# Altium PCB mantarray_beta_drv425_Mounting_Holes.PcbDoc (part 5 of 5)
Units mm, origin at the board's own origin, x right, y up, seen from the top; angles counter-clockwise.
Board outline 158.05 x 258 mm, 8 copper layers (Top Layer, GND1, Signal 1, GND2, DVDD, PWR, AVDD, GND3), stack 1.61 mm thick; 318 components, 274 nets, 1474 pads, 756 vias.
Unrouted connection lines stored in the file: 18.
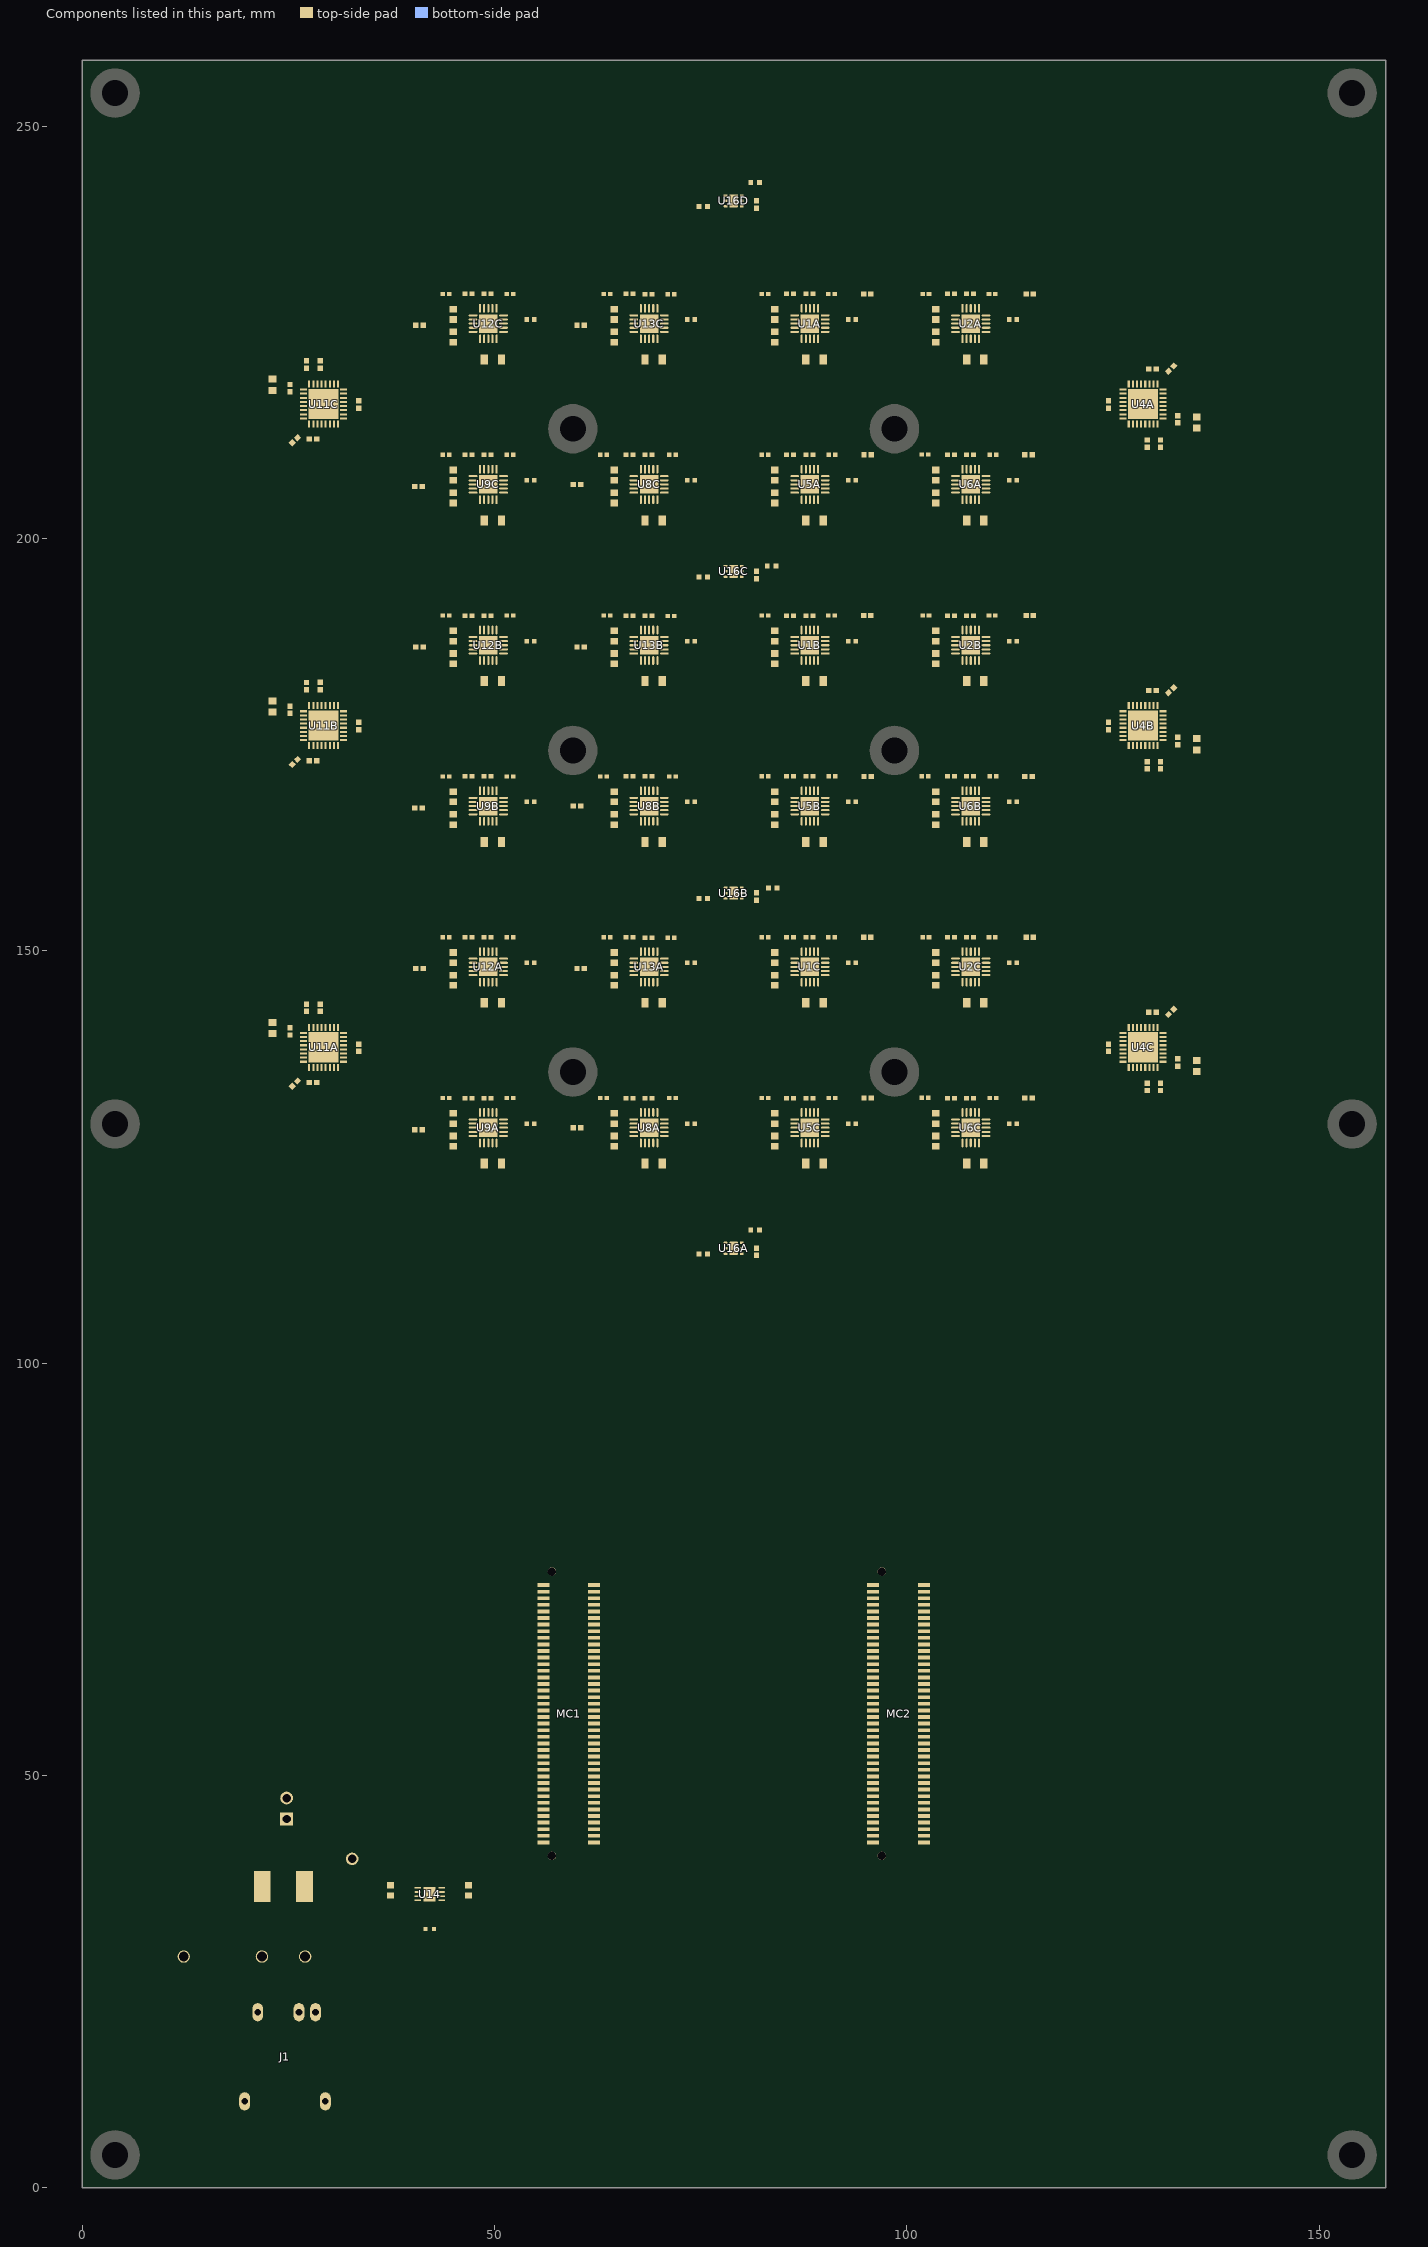
[diagram p11: the components of this part, seen from the top]

## Polygon pours and split planes (outlines as drawn) (continued)
+5V on Top Layer "NONET_L01_P053" (solid, shelved, pour order 53): 40.996,35.654 40.675,35.975 34.8,35.975 34.1,35.275 34.1,27 40.996,27
+5V on Top Layer "NONET_L01_P050" (solid, shelved, pour order 50): 34.1,22.85 34.1,27 46.15,27 57.75,27 57.75,22.85
+5V on Top Layer "NONET_L01_P044" (solid, shelved, pour order 44): 54.05,43.95 57.75,43.95 57.75,22.85 54.05,22.85
GND on Top Layer "NONET_L01_P037" (solid, shelved, pour order 37): 42.875,34 42.875,37.4 44.6,37.4 45.8,36.2 49.35,36.2 50.1,36.95 50.1,43.2 49.35,43.95 35.1,43.95 34.2,43.05 34.2,36.9 34.9,36.2 38.05,36.2 39.25,37.4 41.425,37.4 41.425,34
AVDD on Top Layer "NONET_L01_P038" (solid, shelved, pour order 38): 43.204,35.679 43.525,36 49.4,36 50.1,35.3 50.1,28.1 49.6,27.6 43.7,27.6 43.204,28.096
PWR_IN on Top Layer "PWR_IN" (solid, shelved, pour order 26): 20,38.861 20,19.75 23.7,19.75 23.7,38.861
GND on Top Layer "PWR_IN" (solid, shelved, pour order 43): 24.45,38.861 24.45,19.75 29.5,19.75 29.5,38.861
GND on GND3 "GND_L08_P033" (solid, shelved, pour order 64): 0,0 0,258 158.05,258 158.05,0
GND on GND1 (split plane): 157.54,0.51 0.51,0.51 0.51,257.49 157.54,257.49
+5V on PWR (split plane): 157.54,0.51 0.51,0.51 0.51,257.49 157.54,257.49
GND on GND2 (split plane): 157.54,0.51 0.51,0.51 0.51,257.49 157.54,257.49
DVDD on DVDD (split plane): 157.54,0.51 0.51,0.51 0.51,257.49 157.54,257.49
AVDD on AVDD (split plane): 157.54,0.51 0.51,0.51 0.51,257.49 157.54,257.49

## Other copper
Top Layer:
  pour cut-out: 57.75,23.6 57,22.85 57.75,22.85
  pour cut-out: 34.1,23.6 34.85,22.85 34.1,22.85

## Silkscreen, mask and mechanical layers (free items; w line width, h text height)
Top Overlay:
  text "FAN" at 21,44.35 h1.65 r90
  text "GND" at 24.75,39.1 h1.65
  text "PWR" at 20.05,39.05 h1.65
  text "Mantarray Version 0.2.1 / Curi Bio" at 4.05,36.1 h2 r270
  text "3.3V" at 33.75,34 h1.65 r90
  text "5V DC" at 18.9,12.4 h1.65 r90
Fabrication Notes:
  circle w0.254: c49.75,223.05 r7.75
  circle w0.254: c108.25,203.55 r7.75
  circle w0.254: c88.75,203.55 r7.75
  circle w0.254: c108.25,223.05 r7.75
  circle w0.254: c88.75,223.05 r7.75
  circle w0.254: c108.25,125.55 r7.75
  circle w0.254: c88.75,125.55 r7.75
  circle w0.254: c69.25,125.55 r7.75
  circle w0.254: c49.75,125.55 r7.75
  circle w0.254: c108.25,145.05 r7.75
  circle w0.254: c88.75,145.05 r7.75
  circle w0.254: c69.25,145.05 r7.75
  circle w0.254: c49.75,145.05 r7.75
  circle w0.254: c108.25,164.55 r7.75
  circle w0.254: c88.75,164.55 r7.75
  circle w0.254: c69.25,164.55 r7.75
  circle w0.254: c49.75,164.55 r7.75
  circle w0.254: c108.25,184.05 r7.75
  circle w0.254: c88.75,184.05 r7.75
  circle w0.254: c69.25,184.05 r7.75
  circle w0.254: c49.75,184.05 r7.75
  circle w0.254: c69.25,203.55 r7.75
  circle w0.254: c49.75,203.55 r7.75
  circle w0.254: c69.25,223.05 r7.75
  lines w0.254: 0,129 4,129 ; 2.55,129 4,129 ; 4,107.95 79,107.95 ; 6.55,129 156.55,129 ; 59.5,174.3 59.5,135.3 98.5,135.3 98.5,174.3 ; 72.6,200.15 72.6,200.2 ; 79,135.3 79,107.95 ; 153.9,128.8 154.05,128.8 ; 154,0 154,4 ; 154,107.95 79,107.95 ; 158,129 154,129 ; 4,129 4,4 154,4 ; 4,129 4,254 154,254 154,129 ; 154,4 154,129 ; 0,0 158.05,0 158.05,258 0,258 0,0 ; 69.25,223.05 69.25,223.05